# KiCad board teensy_arena_12-12.kicad_pcb (continued)
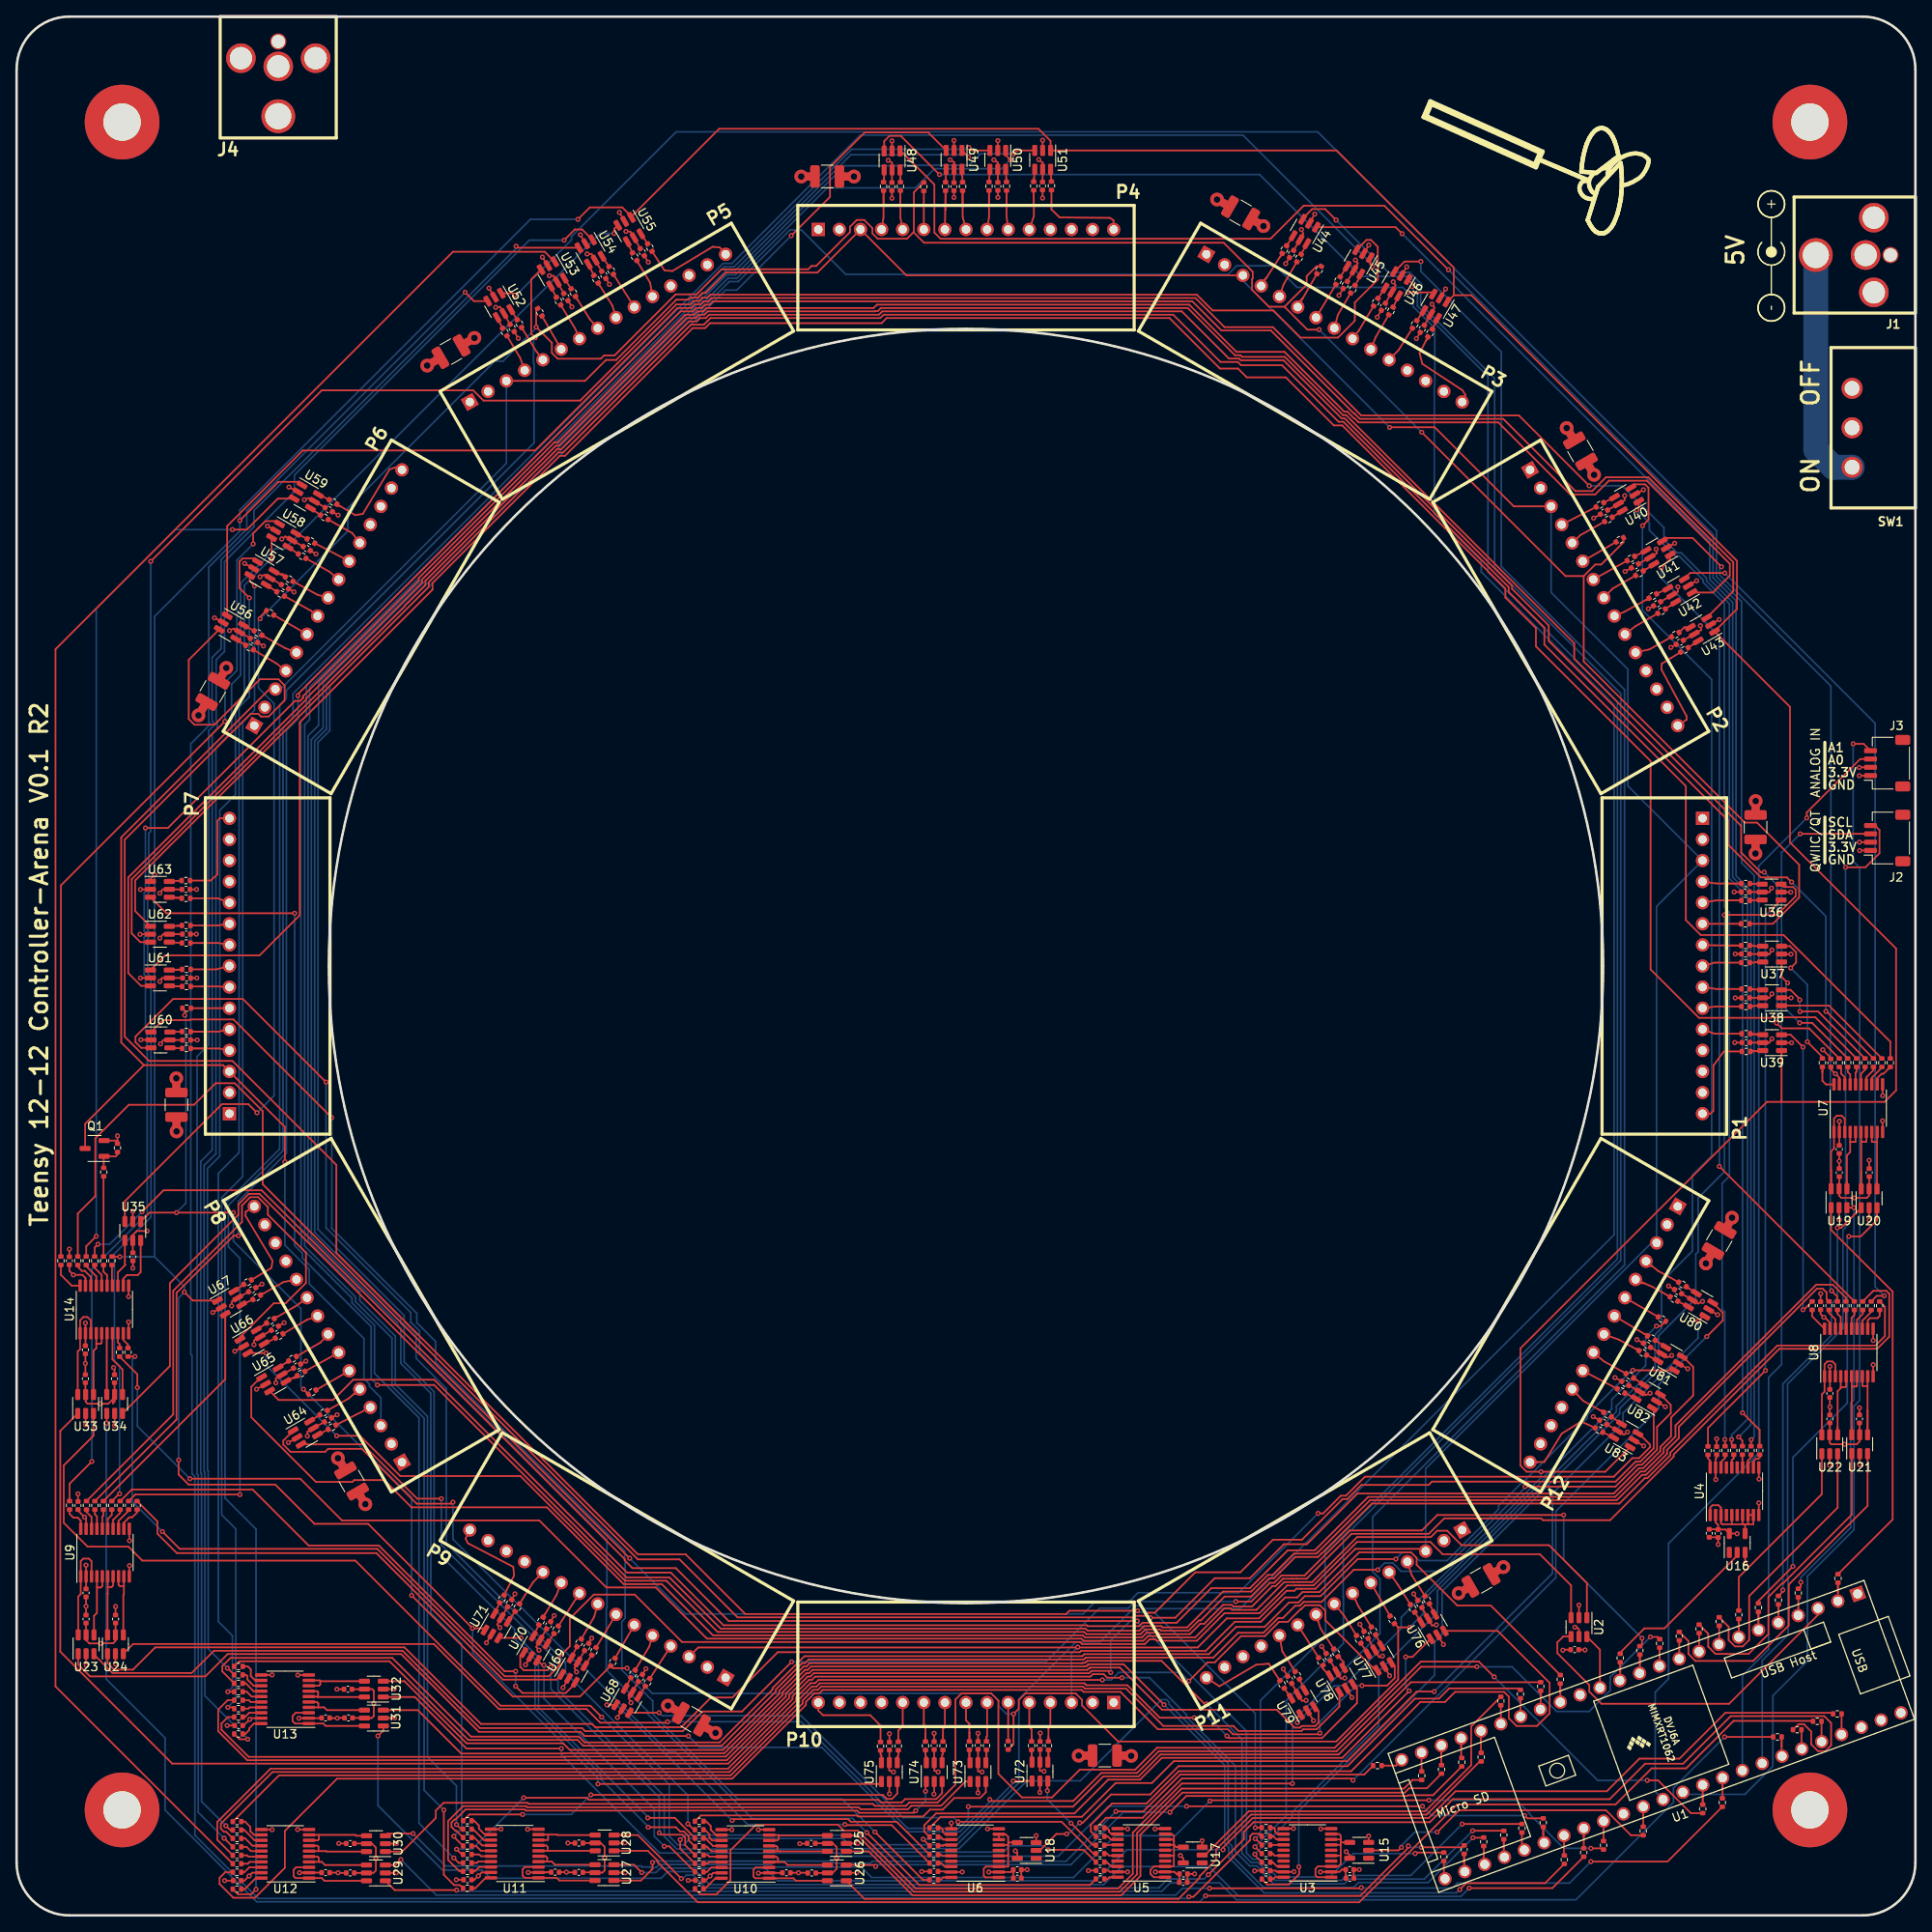
[diagram p0: board, top side]
## Routing (per net, layer and track width the routed paths; a pad name or vN(x,y) marks a point on that pad's centre or on a via; arc(x,y) is an arc through that point) (continued)
/Level Shifters/PAN5V.MOSI_1_P11: length 74.9
  Top w0.2: R61.1 109.27,10.09 109.27,10.85 110.69,12.27 127.35,12.27 131.42,16.34 135.25,16.34 137.88,18.97 159.6,18.97 v1(167.66,27.03) ; U76.1 168.06,31.11 v1(167.24,31.11)
  Bottom w0.2: v1(167.24,31.11) 167.24,27.45 v1(167.66,27.03)
/Level Shifters/PAN5V.MOSI_1_P12: length 126.4
  Top w0.2: v1(202.43,71.53) 203.03,72.12 U80.1 ; v1(170.67,26.95) 168.56,26.95 160.18,18.57 139.32,18.57 136.69,15.94 132.32,15.94 128.25,11.87 111.26,11.87 R62.1
  Bottom w0.2: v1(170.67,26.95) 184.91,41.19 184.91,50.79 193.4,59.28 193.4,60.48 202.43,69.52 v1(202.43,71.53)
/Level Shifters/PAN5V.RESET: length 9.7
  Top w0.2: 10.48,88.96 10.46,88.95 R123.1 ; 10.48,88.96 R1.2 10.48,88.96
/Level Shifters/PAN5V.SCK_0_P1: length 154.4
  Top w0.2: U36.3 212.76,123.81 213.87,123.81 214.19,123.49 214.19,122.7 211.94,120.45 v1(205.6,120.45) ; v1(154.37,5.84) 154.41,5.81 154.41,4.96 153.16,3.72 150.56,3.72 R39.1
  Bottom w0.2: v1(205.6,120.45) 205.6,89.54 202.44,86.37 202.44,79.89 202.16,79.61 202.16,74.25 197.67,69.76 197.67,65.67 193,61 193,60.38 171.63,39.02 171.63,33.84 170.72,32.93 170.72,28.92 154.37,12.57 v1(154.37,5.84)
/Level Shifters/PAN5V.SCK_0_P2: length 194.8
  Top w0.2: v1(149.08,7.37) 149.08,7.23 R40.1 ; U40.3 194.75,172.29 196.06,172.29 196.47,171.87 196.47,168.02 v1(195.76,167.31)
  Bottom w0.2: v1(149.08,7.37) 153.58,11.86 153.58,12.43 163.99,22.84 163.99,29.37 171.06,36.43 171.06,39.09 192.59,60.63 192.59,61.3 197.27,65.98 197.27,69.93 197.68,70.35 198.04,70.7 198.04,76.26 201.76,79.98 201.76,89.11 204.08,91.43 204.08,148.79 195.73,157.13 195.73,167.28 v1(195.76,167.31)
/Level Shifters/PAN5V.SCK_0_P3: length 236.2
  Top w0.2: v1(158.85,204.12) 157.54,205.43 155.97,205.43 154.83,204.28 U44.3 ; R41.1 v1(149.09,8.26)
  Bottom w0.2: v1(158.85,204.12) 165.16,197.81 167.71,197.81 169.18,196.33 169.18,196.05 169.04,195.91 169.04,193.94 177.94,185.04 177.94,162.28 193.13,147.09 193.13,78.86 159.72,45.45 159.72,38.34 159.74,38.32 159.74,32.75 152.85,25.87 152.85,12.02 v1(149.09,8.26)
/Level Shifters/PAN5V.SCK_0_P4: length 289.4
  Top w0.2: v1(111.1,209.59) 106.45,214.24 105.09,214.24 104.45,213.6 U48.3 ; R42.1 149.16,9.23 v1(149.12,9.23)
  Bottom w0.2: v1(149.12,9.23) 149.75,9.86 149.75,25.86 157.6,33.71 157.6,36.83 157.53,36.89 157.53,43.84 192.72,79.03 192.72,146.16 177.14,161.75 177.14,185.28 168.64,193.77 168.64,196.08 168.76,196.19 167.62,197.33 161.89,197.33 149.64,209.59 v1(111.1,209.59)
/Level Shifters/PAN5V.SCK_0_P5: length 338.2
  Top w0.2: R43.1 149.6,9.83 148.8,9.83 148.51,9.55 148.51,9.08 141.67,2.24 v1(141.14,2.24) ; v1(54,195.41) 55.06,194.35 U52.3
  Bottom w0.2: v1(54,195.41) 27.72,169.13 27.72,166.9 23.13,162.32 23.13,143.62 23.29,143.46 23.29,143.38 20.97,141.05 20.97,67.55 21.12,67.39 21.12,53.17 21.46,52.83 21.46,9.65 29.07,2.04 140.94,2.04 v1(141.14,2.24)
/Level Shifters/PAN5V.SCK_0_P6: length 269.6
  Top w0.2: R44.1 v1(149.12,10.57) ; v1(134.95,36.67) 126.74,36.67 126.35,36.28 87.73,36.28 80.55,43.47 74.8,43.47 38.49,79.77 38.49,90.36 25.98,102.87 15.94,102.87 13.02,105.79 13.02,129.51 28.17,144.66 29.1,144.66 29.43,144.34 30.34,144.34 32.27,146.26 32.27,148.09 31.53,148.82 29.3,148.82 23.82,143.35 21.42,143.35 20.72,144.04 20.72,151.15 U56.3
  Bottom w0.2: v1(149.12,10.57) 149.12,24.33 136.98,36.47 135.15,36.47 v1(134.95,36.67)
/Level Shifters/PAN5V.SCK_1_P7: length 186.8
  Top w0.2: R51.1 129.2,3.65 108.68,3.65 v1(102.37,9.97) ; U60.3 15,104.45 14.31,105.14 14.31,105.8 18.84,110.33 27.24,110.33 v1(37.25,100.32)
  Bottom w0.2: v1(37.25,100.32) 37.25,82.78 47.46,72.57 47.46,71.42 48.5,70.37 48.5,67.8 71.07,45.24 71.07,37.05 70.99,36.98 70.99,29.56 75.99,24.56 75.99,24.24 88.56,11.67 100.66,11.67 v1(102.37,9.97)
/Level Shifters/PAN5V.SCK_1_P8: length 125.2
  Top w0.2: v1(51.13,50.17) 48.22,50.17 41.68,56.71 U64.3 ; R52.1 128.46,7.9 v1(124.21,7.9)
  Bottom w0.2: v1(124.21,7.9) 123.73,8.38 119.57,8.38 118.81,7.62 100.56,7.62 100.21,7.97 79.5,7.97 77.97,9.5 77.97,14.37 65.18,27.16 65.18,30.52 51.13,44.58 v1(51.13,50.17)
/Level Shifters/PAN5V.SCK_1_P9: length 63.2
  Top w0.2: v1(113.34,11.27) 125.81,11.27 129.65,7.43 R53.1 ; U68.3 v1(77.36,24.4)
  Bottom w0.2: v1(113.34,11.27) 112.84,11.77 106.72,11.77 94.45,24.05 77.71,24.05 v1(77.36,24.4)
/Level Shifters/PAN5V.SCK_1_P10: length 10.4
  Top w0.2: U72.3 124.1,16.13 v1(124.1,15.01) ; R54.1 129.59,8.45 v1(126.94,11.1)
  Bottom w0.2: v1(124.1,15.01) 124.1,13.95 v1(126.94,11.1)
/Level Shifters/PAN5V.SCK_1_P11: length 86.3
  Top w0.2: R55.1 129.34,10.12 129.34,10.92 131.88,13.46 136.02,13.46 139.92,17.36 160.67,17.36 169.01,25.69 171.97,25.69 173.18,26.9 179.09,26.9 179.66,26.33 179.66,23.73 180.58,22.81 183.05,22.81 184.57,24.33 184.57,28 178.31,34.25 U76.3
/Level Shifters/PAN5V.SCK_1_P12: length 109.9
  Top w0.2: R56.1 131.16,11.76 135.58,11.76 140.29,16.47 160.7,16.47 v1(160.9,16.27) ; U80.3 205.41,72.56 205.41,71.62 v1(203.48,69.69)
  Bottom w0.2: v1(160.9,16.27) 185.31,40.68 185.31,48.65 197.7,61.04 197.7,63.91 v1(203.48,69.69)
/Panel Headers/HDR_CS_00_P1: length 6.3
  Top w0.2: 206.03,116.78 207.63,116.78 R129.1 206.03,116.78 ; 206.03,116.78 204.42,116.79 P1.7
/Panel Headers/HDR_CS_00_P7: length 4.7
  Top w0.2: P7.7 24.1,111.84 R177.1
/Panel Headers/HDR_CS_01_P1: length 4.7
  Top w0.2: P1.8 204.44,114.71 R130.1
/Panel Headers/HDR_CS_01_P7: length 4.7
  Top w0.2: P7.8 24.03,113.89 R178.1
/Panel Headers/HDR_CS_02_P1: length 4.7
  Top w0.2: R131.1 204.65,111.53 P1.9
/Panel Headers/HDR_CS_02_P7: length 4.7
  Top w0.2: R179.1 24.31,117.07 P7.9
/Panel Headers/HDR_CS_03_P1: length 4.7
  Top w0.2: P1.10 204.62,109.42 R132.1
/Panel Headers/HDR_CS_03_P7: length 4.7
  Top w0.2: R180.1 24.21,119.18 P7.10
/Panel Headers/HDR_CS_04_P1: length 4.8
  Top w0.2: R133.1 207.7,106.15 204.39,106.15 P1.11
/Panel Headers/HDR_CS_04_P7: length 4.8
  Top w0.2: R181.1 20.9,122.45 24.21,122.45 P7.11
/Panel Headers/HDR_CS_05_P2: length 4.7
  Top w0.2: R137.1 193.91,163.11 P2.7
/Panel Headers/HDR_CS_05_P8: length 4.7
  Top w0.2: R185.1 P8.7
/Panel Headers/HDR_CS_06_P2: length 4.7
  Top w0.2: P2.8 192.15,159.74 R138.1
/Panel Headers/HDR_CS_06_P8: length 4.7
  Top w0.2: P8.8 36.6,68.99 R186.1
/Panel Headers/HDR_CS_07_P2: length 5.9
  Top w0.2: 192.97,156.69 192.36,156.44 ; 192.97,156.69 193.57,156.95 196.13,158.36 ; 192.97,156.69 192.62,156.69 P2.9 ; 196.13,158.36 196.31,158.36 R139.1 196.13,158.36
/Panel Headers/HDR_CS_07_P8: length 5.5
  Top w0.2: 35.59,71.93 36.24,72.16 ; 35.59,71.93 34.95,71.7 R187.1 ; 35.59,71.93 36.01,71.93 P8.9
/Panel Headers/HDR_CS_08_P2: length 4.7
  Top w0.2: R140.1 194.87,155.19 P2.10
/Panel Headers/HDR_CS_08_P8: length 5.2
  Top w0.2: P8.10 33.73,73.43 31.4,72.07 ; 31.4,72.07 R188.1 31.24,72.07 31.4,72.07
/Panel Headers/HDR_CS_09_P2: length 4.8
  Top w0.2: R141.1 196.6,152.43 P2.11
/Panel Headers/HDR_CS_09_P8: length 6.1
  Top w0.2: 29.74,74.89 32.13,76.25 32.91,76.41 ; 29.74,74.89 29.57,74.89 R189.1 29.74,74.89 ; 32.91,76.41 33.54,76.41 P8.11 32.91,76.41
/Panel Headers/HDR_CS_10_P3: length 4.7
  Top w0.2: 156.44,192.36 P3.7 158.84,196.37 R145.1
/Panel Headers/HDR_CS_10_P9: length 4.8
  Top w0.2: 69.76,32.23 69.76,32.26 69.81,32.31 ; 69.81,32.31 P9.7 72.16,36.24 ; 69.81,32.31 69.76,32.23
/Panel Headers/HDR_CS_11_P3: length 4.7
  Top w0.2: P3.8 159.08,192.71 R146.1
/Panel Headers/HDR_CS_11_P9: length 4.7
  Top w0.2: R194.1 69.54,35.97 P9.8
/Panel Headers/HDR_CS_12_P3: length 4.8
  Top w0.2: 163.34,193.7 161.59,190.81 P3.9 ; 163.34,193.7 163.38,193.75 R147.1 ; 163.34,193.7 163.38,193.78
/Panel Headers/HDR_CS_12_P9: length 4.8
  Top w0.2: 65.25,34.87 65.22,34.84 R195.1 65.25,34.87 ; 65.25,34.87 P9.9
/Panel Headers/HDR_CS_13_P3: length 5.6
  Top w0.2: 163.34,189.31 163.65,190.07 R148.1 ; 163.34,189.31 P3.10 163.04,189 163.34,189.31
/Panel Headers/HDR_CS_13_P9: length 5.2
  Top w0.2: P9.10 65,38.58 63.61,36.25 ; 63.39,35.88 63.61,36.25 ; 63.61,36.25 63.39,36.03 R196.1
/Panel Headers/HDR_CS_14_P3: length 5.6
  Top w0.2: R149.1 166.37,188.44 165.8,187.86 ; 165.8,187.86 165.24,187.3 P3.11 165.8,187.86
/Panel Headers/HDR_CS_14_P9: length 5.6
  Top w0.2: R197.1 62.18,40.11 62.77,40.71 ; 62.77,40.71 P9.11 63.36,41.3 62.77,40.71
/Panel Headers/HDR_CS_15_P4: length 7
  Top w0.2: 111.8,205.31 P4.7 ; 111.8,205.31 R153.1 111.84,205.35 111.8,205.31
/Panel Headers/HDR_CS_15_P10: length 5
  Top w0.2: 116.76,21.22 R201.1 116.76,21.22 ; 116.76,21.22 116.76,21.49 116.84,21.56 P10.7
/Panel Headers/HDR_CS_16_P4: length 6.3
  Top w0.2: 113.89,206.08 R154.1 113.89,206.08 113.89,206.08 ; 113.89,206.08 113.89,204.52 P4.8
/Panel Headers/HDR_CS_16_P10: length 5.9
  Top w0.2: 114.71,22.01 R202.1 114.71,22.01 ; 114.71,22.01 114.71,23.06 114.3,23.47 P10.8
/Panel Headers/HDR_CS_17_P4: length 6.3
  Top w0.2: 117.07,206.07 117.07,204.47 P4.9 ; 117.07,206.07 R155.1 117.07,206.07
/Panel Headers/HDR_CS_17_P10: length 5.6
  Top w0.2: 111.53,21.69 R203.1 111.53,21.69 ; 111.53,21.69 111.53,22.45 111.76,22.68 P10.9
/Panel Headers/HDR_CS_18_P4: length 6.3
  Top w0.2: 119.18,206.12 119.18,206.12 R156.1 119.18,206.12 ; 119.18,206.12 119.18,204.57 P4.10
/Panel Headers/HDR_CS_18_P10: length 5.7
  Top w0.2: P10.10 109.22,23.01 109.42,22.81 109.42,21.87 ; 109.42,21.87 R204.1 109.42,21.87
/Panel Headers/HDR_CS_19_P4: length 6.4
  Top w0.2: 122.47,206.15 122.48,204.6 P4.11 ; 122.47,206.15 122.45,206.16 R157.1 ; 122.47,206.15 122.45,207.7
/Panel Headers/HDR_CS_19_P10: length 5.6
  Top w0.2: P10.11 106.68,22.78 106.15,22.25 106.15,21.58 ; 106.15,21.58 106.15,21.58 R205.1 ; 106.15,21.58 106.15,20.9
/Panel Headers/HDR_CS_20_P5: length 5.1
  Top w0.2: 65.7,193.56 65.49,193.77 R161.1 65.7,193.56 ; 65.7,193.56 67.23,191.06 P5.7
/Panel Headers/HDR_CS_20_P11: length 6
  Top w0.2: 163.11,34.69 162.9,35.03 ; 162.9,35.03 163.11,34.82 R209.1 ; 162.9,35.03 161.52,37.26 161.18,38.02 ; 161.18,38.02 160.84,38.36 P11.7 161.18,38.02
/Panel Headers/HDR_CS_21_P5: length 5.3
  Top w0.2: 67.55,194.49 67.28,194.77 R162.1 67.55,194.49 ; 67.55,194.49 69.01,192.18 P5.8
/Panel Headers/HDR_CS_21_P11: length 4.7
  Top w0.2: R210.1 159.82,36.09 P11.8
/Panel Headers/HDR_CS_22_P5: length 6
  Top w0.2: 71.95,193.08 72.16,192.36 ; 71.95,193.08 72.16,192.87 P5.9 ; 71.95,193.08 71.73,193.8 70.24,196.18 ; 70.24,196.18 70.01,196.41 R163.1 70.24,196.18
/Panel Headers/HDR_CS_22_P11: length 5.7
  Top w0.2: P11.9 156.44,35.67 156.7,35.4 ; 156.7,35.4 156.44,36.24 ; 156.7,35.4 156.97,34.57 R211.1
/Panel Headers/HDR_CS_23_P5: length 5.2
  Top w0.2: 72.1,197.18 P5.10 ; 72.1,197.18 R164.1 71.84,197.45 72.1,197.18
/Panel Headers/HDR_CS_23_P11: length 4.7
  Top w0.2: R212.1 P11.10
/Panel Headers/HDR_CS_24_P5: length 6.2
  Top w0.2: 74.89,198.88 R165.1 74.66,199.11 74.89,198.88 ; 74.89,198.88 76.28,196.55 76.42,195.72 ; 76.42,195.72 76.56,195.58 P5.11 76.42,195.72
/Panel Headers/HDR_CS_24_P11: length 4.8
  Top w0.2: R213.1 152.38,31.8 P11.11
/Panel Headers/HDR_CS_25_P6: length 4.7
  Top w0.2: 32.27,158.81 32.25,158.81 R169.1 ; 32.27,158.81 32.23,158.84 ; 32.27,158.81 35.43,157.07 P6.7 36.24,156.44
/Panel Headers/HDR_CS_25_P12: length 5.2
  Top w0.2: 196.37,69.76 196.13,70 195.97,70 ; 195.97,70 P12.7 192.36,72.16 ; 195.97,70 196.37,69.76
/Panel Headers/HDR_CS_26_P6: length 4.7
  Top w0.2: P6.8 36.19,159 R170.1
/Panel Headers/HDR_CS_26_P12: length 5.2
  Top w0.2: 194.94,68.2 R218.1 195.12,68.2 194.94,68.2 ; 194.94,68.2 192.89,69.32 P12.8
/Panel Headers/HDR_CS_27_P6: length 4.8
  Top w0.2: 34.86,163.36 34.85,163.36 R171.1 34.86,163.36 ; 34.86,163.36 37.69,161.75 P6.9
/Panel Headers/HDR_CS_27_P12: length 4.8
  Top w0.2: P12.9 191.11,66.7 193.72,65.25 ; 193.72,65.25 193.75,65.25 R219.1 ; 193.72,65.25 193.78,65.22
/Panel Headers/HDR_CS_28_P6: length 4.7
  Top w0.2: R172.1 P6.10
/Panel Headers/HDR_CS_28_P12: length 4.7
  Top w0.2: P12.10 R220.1 192.72,63.39
/Panel Headers/HDR_CS_29_P6: length 5.7
  Top w0.2: 37.53,168.04 37.51,168.04 R173.1 37.53,168.04 ; 37.53,168.04 40.41,166.42 40.86,165.83 ; 40.86,165.83 P6.11 41.32,165.38 40.86,165.83
/Panel Headers/HDR_CS_29_P12: length 6.3
  Top w0.2: 187.89,62.71 188.59,61.95 190.66,60.79 ; 187.89,62.71 187.28,63.32 P12.11 187.89,62.71 ; 190.66,60.79 190.86,60.79 R221.1 190.66,60.79
/Panel Headers/HDR_EXT_INT_P1: length 11.2
  Top w0.2: P1.15 203.94,96.52 204.27,96.85 204.27,102.21 204.34,102.39 205.54,104.01 R134.1
/Panel Headers/HDR_EXT_INT_P2: length 11.5
  Top w0.2: P2.15 201.07,143.97 201.04,144.4 198.02,150.01 198.07,150.7 R142.1
/Panel Headers/HDR_EXT_INT_P3: length 12
  Top w0.2: 174.24,182.62 174.03,182.41 P3.15 ; 174.24,182.62 174.45,183.03 174.07,183.62 169.24,186.79 168.91,188.09 169.69,189.61 ; 174.24,182.62 174.03,182.2 ; 169.69,189.61 169.92,189.84 R150.1 169.69,189.61
/Panel Headers/HDR_EXT_INT_P4: length 11.4
  Top w0.2: P4.15 132.06,204.09 131.62,204.37 125.58,204.42 124.59,205.38 R158.1
/Panel Headers/HDR_EXT_INT_P5: length 11.9
  Top w0.2: 85.01,200.4 84.66,200.81 83.79,200.89 78.94,197.97 78,198.04 R166.1 ; 85.01,200.4 85.36,200.05 P5.15 85.01,200.4
/Panel Headers/HDR_EXT_INT_P6: length 12.3
  Top w0.2: 45.98,174.18 45.57,174.32 44.91,174.09 41.68,168.73 40.77,168.58 38.92,169.69 ; 45.98,174.18 46.4,174.04 ; 45.98,174.18 46.25,174.18 P6.15 ; 38.92,169.69 R174.1 38.77,169.69 38.92,169.69
/Panel Headers/HDR_EXT_INT_P7: length 11.6
  Top w0.2: R182.1 23.34,124.59 24.18,125.32 24.18,131.78 24.46,132.08 P7.15
/Panel Headers/HDR_EXT_INT_P8: length 12.4
  Top w0.2: 28.1,85.04 27.58,84.71 27.56,84.23 30.81,78.82 30.68,77.95 28.3,76.52 ; 28.1,85.04 P8.15 28.29,85.04 28.1,85.04 ; 28.3,76.52 28.28,76.52 R190.1 28.3,76.52
/Panel Headers/HDR_EXT_INT_P9: length 12.3
  Top w0.2: P9.15 54.57,46.14 54.31,45.88 ; 58.68,38.54 59.89,40.92 59.79,41.96 54.33,44.81 54.05,45.36 54.31,45.88 ; 58.68,38.54 R198.1 58.68,38.54 ; 54.31,45.88 54.56,46.4
/Panel Headers/HDR_EXT_INT_P10: length 11.2
  Top w0.2: R206.1 104.01,22.86 102.77,24.11 97.08,24.11 96.52,24.66 P10.15
/Panel Headers/HDR_EXT_INT_P11: length 11
  Top w0.2: R214.1 150.75,30.3 149.22,30.18 144.81,27.58 P11.15
/Panel Headers/HDR_EXT_INT_P12: length 11.2
  Top w0.2: 190.06,58.68 R222.1 190.06,58.68 ; 190.06,58.68 188.37,59.46 186.03,58.01 184.12,54.92 183.92,54.59 183.06,54.58 ; 183.06,54.58 182.21,54.58 P12.15 ; 183.06,54.58 182.2,54.57
/Panel Headers/HDR_MISO_0_P1: length 4.6
  Top w0.2: R223.1 P1.6
/Panel Headers/HDR_MISO_0_P2: length 4.6
  Top w0.2: 192.57,165.36 191.69,164.85 P2.6
/Panel Headers/HDR_MISO_0_P3: length 6
  Top w0.2: 154.89,194.76 154.24,194.11 P3.6 154.89,194.76 ; 154.89,194.76 R225.1
/Panel Headers/HDR_MISO_0_P4: length 4.6
  Top w0.2: R226.1 P4.6
/Panel Headers/HDR_MISO_0_P5: length 4.6
  Top w0.2: P5.6 63.24,192.57 R227.1
/Panel Headers/HDR_MISO_0_P6: length 4.6
  Top w0.2: R228.1 P6.6
/Panel Headers/HDR_MISO_1_P7: length 4.6
  Top w0.2: R229.1 P7.6
/Panel Headers/HDR_MISO_1_P8: length 4.6
  Top w0.2: P8.6 36.03,63.24 R230.1
/Panel Headers/HDR_MISO_1_P9: length 4.6
  Top w0.2: R231.1 P9.6
/Panel Headers/HDR_MISO_1_P10: length 4.6
  Top w0.2: P10.6 R232.1
/Panel Headers/HDR_MISO_1_P11: length 4.6
  Top w0.2: R233.1 165.36,36.03 P11.6
/Panel Headers/HDR_MISO_1_P12: length 4.6
  Top w0.2: R234.1 P12.6
/Panel Headers/HDR_MOSI_0_P1: length 6.2
  Top w0.2: P1.5 204.65,122.2 206.15,122.2 ; 206.15,122.2 207.65,122.2 R128.1 206.15,122.2
/Panel Headers/HDR_MOSI_0_P2: length 5.4
  Top w0.2: 187.79,165.71 187.76,165.71 P2.5 187.79,165.71 ; 187.79,165.71 188.29,166.19 189.94,167.11 R136.1
/Panel Headers/HDR_MOSI_0_P3: length 5.5
  Top w0.2: 152.28,195.62 P3.5 152.04,195.38 152.28,195.62 ; 152.28,195.62 152.53,196.34 R144.1
/Panel Headers/HDR_MOSI_0_P4: length 6.3
  Top w0.2: 106.4,206.02 106.41,206.03 R152.1 106.4,206.02 ; 106.4,206.02 106.4,204.39 P4.5
/Panel Headers/HDR_MOSI_0_P5: length 5.9
  Top w0.2: 62.96,187.8 62.56,188.32 61.04,190.79 ; 62.96,187.8 63.36,187.4 P5.5 62.96,187.8 ; 61.04,190.79 60.79,191.04 R160.1 61.04,190.79
/Panel Headers/HDR_MOSI_0_P6: length 6
  Top w0.2: 29.89,153.93 32.31,152.58 33,152.31 ; 29.89,153.93 R168.1 29.72,153.93 29.89,153.93 ; 33,152.31 P6.5 33.43,152.31 33,152.31
/Panel Headers/HDR_MOSI_1_P7: length 6.3
  Top w0.2: 22.59,106.4 24.23,106.4 P7.5 ; 22.59,106.4 R176.1 20.95,106.4 22.59,106.4
/Panel Headers/HDR_MOSI_1_P8: length 5.8
  Top w0.2: 40.62,62.78 39.93,62.21 37.5,60.84 ; 40.62,62.78 P8.5 40.74,62.78 40.62,62.78 ; 37.5,60.84 37.46,60.84 R184.1 37.5,60.84
/Panel Headers/HDR_MOSI_1_P9: length 5.2
  Top w0.2: 74.67,29.86 76.18,32.39 P9.5 ; 74.67,29.86 74.46,29.65 R192.1 74.67,29.86
/Panel Headers/HDR_MOSI_1_P10: length 5.4
  Top w0.2: 122.19,21.58 122.19,22.38 121.92,22.66 P10.5 ; 122.19,21.58 R200.1 122.19,21.58
/Panel Headers/HDR_MOSI_1_P11: length 5.7
  Top w0.2: 165.78,40.55 P11.5 165.24,41.09 165.78,40.55 ; 165.78,40.55 166.32,39.78 R208.1
/Panel Headers/HDR_MOSI_1_P12: length 5.9
  Top w0.2: 195.93,76.11 195.35,76.11 P12.5 195.93,76.11 ; 195.93,76.11 196.95,75.67 R216.1
/Panel Headers/HDR_RESET: length 573.5
  Top w0.2: 127.75,32.25 82.06,32.25 P9.3 ; 127.75,32.25 142.19,32.25 145.69,35.75 149.57,35.75 152.9,39.09 153.83,39.09 154.07,39.32 154.64,39.32 154.64,39.33 156.38,39.33 161.17,44.12 169.37,44.12 P11.3 ; 127.75,32.25 v1(127.75,32.29) ; 8.25,92.33 8.25,95.3 15.32,102.37 ; 15.32,102.37 12.6,105.09 12.6,129.79 30.45,147.64 P6.3 ; 15.32,102.37 24.86,102.37 P7.3 32.3,94.93 v1(32.3,90.72) ; v1(165.3,179.14) 165.32,179.16 170.73,179.16 180.25,169.64 P2.3 ; P3.3 107.13,197.44 P4.3 96.41,197.78 85.4,197.78 82.94,195.32 82.57,195.32 82.21,194.96 82.21,194.96 82.01,194.76 81.13,194.76 80.88,194.52 79.43,194.52 72.18,187.27 70.96,187.27 68.43,184.74 P5.3
  Bottom w0.2: P10.3 127,31.54 v1(127.75,32.29) ; P5.3 58.96,174.82 31.78,147.64 P6.3 ; P3.3 147.64,196.8 v1(165.3,179.14) ; P11.3 169.64,53.78 196.82,80.96 P12.3 197.44,121.47 P1.3 193.98,135.99 193.98,150.03 184.74,159.27 P2.3 ; P8.3 43.86,62.33 42.47,63.71 42.47,63.96 41.81,64.62 41.81,69.45 35.23,76.04 35.23,77.76 32.3,80.69 v1(32.3,90.72)
/Panel Headers/HDR_SCK_0_P1: length 6.2
  Top w0.2: 206.16,124.23 204.67,124.23 P1.4 ; 206.16,124.23 R127.1 207.65,124.23 206.16,124.23
/Panel Headers/HDR_SCK_0_P2: length 4.7
  Top w0.2: R135.1 P2.4
/Panel Headers/HDR_SCK_0_P3: length 6.5
  Top w0.2: 152.1,199.68 152.38,199.96 R143.1 152.1,199.68 ; 152.1,199.68 150.49,197.18 ; 150.49,197.18 149.84,196.53 P3.4 150.49,197.18
/Panel Headers/HDR_SCK_0_P4: length 6.3
  Top w0.2: 104.37,206.05 104.37,206.05 R151.1 104.37,206.05 ; 104.37,206.05 104.37,204.44 P4.4
/Panel Headers/HDR_SCK_0_P5: length 5.6
  Top w0.2: 60.9,186.76 60.63,187.5 R159.1 ; 60.9,186.76 61.16,186.49 P5.4 60.9,186.76
/Panel Headers/HDR_SCK_0_P6: length 5.4
  Top w0.2: R167.1 31.32,150.7 31.87,150.27 ; 31.87,150.27 32,150.27 P6.4 31.87,150.27
/Panel Headers/HDR_SCK_1_P7: length 6.4
  Top w0.2: 22.64,104.37 20.95,104.37 R175.1 22.64,104.37 ; 22.64,104.37 24.33,104.37 P7.4
/Panel Headers/HDR_SCK_1_P8: length 4.7
  Top w0.2: R183.1 P8.4
/Panel Headers/HDR_SCK_1_P9: length 4.8
  Top w0.2: 76.26,28.56 76.22,28.52 R191.1 76.26,28.56 ; 76.26,28.56 P9.4
/Panel Headers/HDR_SCK_1_P10: length 5.3
  Top w0.2: 124.23,21.45 R199.1 124.23,21.45 ; 124.23,21.45 124.23,22.5 124.46,22.73 P10.4
/Panel Headers/HDR_SCK_1_P11: length 4.7
  Top w0.2: R207.1 167.94,41 P11.4
/Panel Headers/HDR_SCK_1_P12: length 5.7
  Top w0.2: 200.05,76.26 R215.1 200.07,76.26 200.05,76.26 ; 200.05,76.26 197.61,77.6 196.89,78.18 ; 196.89,78.18 P12.4 196.76,78.18 196.89,78.18
/Power/SW_5V: length 36
  Bottom w0.2: 216.61,192.56 J1.1
  Bottom w3: SW1.1 218.72,174.35 216.61,176.45 J1.1
/Teensy/A0: length 137.1
  Top w0.2: v1(215.52,132.13) 215.52,132.78 221.96,139.22 J3.3
  Bottom w0.2: U1.36 197.28,14.9 197.28,26.87 198.88,28.48 198.88,44.79 209.74,55.64 209.74,126.35 v1(215.52,132.13)
/Teensy/A1: length 142.5
  Top w0.2: v1(221.11,141.05) 222.38,141.05 J3.4
  Bottom w0.2: v1(221.11,141.05) 221.11,126.92 221.89,126.15 221.89,62 221.2,61.31 221.2,46.43 215.6,40.83 215.6,30.6 211.44,26.44 211.44,17.94 208.07,14.58 200.86,14.58 U1.37
/Teensy/SCL: length 121
  Top w0.2: J2.4 223.74,131.21 224.28,130.67 224.28,127.87 222.59,126.19 v1(220.18,126.19)
  Bottom w0.2: v1(220.18,126.19) 220.18,82.83 219.88,82.52 219.88,70.65 213.21,63.98 213.21,40.47 213.28,40.4 213.28,33.81 210.16,30.68 U1.41
/Teensy/SDA: length 124.1
  Top w0.2: J2.3 v1(214.73,130.21)
  Bottom w0.2: U1.40 207.77,28.86 210.93,32.02 210.93,64.76 212.48,66.32 212.48,127.96 v1(214.73,130.21)
/Teensy/TNY_CS_00: length 3.3
  Top w0.2: 219.28,38.96 R8.1 219.28,38.96 ; 219.28,38.96 219.28,37.85 U1.2
/Teensy/TNY_CS_01: length 2.2
  Top w0.2: 214.5,36.1 U1.4 214.5,36.1 ; 214.5,36.1 214.5,36.11 R9.1
/Teensy/TNY_CS_02: length 3.3
  Top w0.2: U1.5 212.12,35.24 212.12,36.34 ; 212.12,36.34 R10.1 212.12,36.34
/Teensy/TNY_CS_03: length 3.3
  Top w0.2: 209.7,35.46 R11.1 ; 209.7,35.46 209.7,36.55 ; 209.7,35.46 209.7,34.38 U1.6 209.72,34.36
/Teensy/TNY_CS_04: length 3.3
  Top w0.2: 207.34,34.59 207.34,33.5 207.33,33.49 U1.7 ; 207.34,34.59 R12.1 207.34,34.59
/Teensy/TNY_CS_05: length 2.3
  Top w0.2: 204.95,32.62 U1.8 204.95,32.62 ; 204.95,32.62 204.98,32.66 R13.1
/Teensy/TNY_CS_06: length 2.2
  Top w0.2: U1.9 202.56,31.76 R14.1
/Teensy/TNY_CS_07: length 2.2
  Top w0.2: R15.1 200.18,30.89 U1.10
/Teensy/TNY_CS_08: length 3.3
  Top w0.2: 197.81,31.14 197.82,31.14 R16.1 197.81,31.14 ; 197.81,31.14 197.81,30.05 U1.11
/Teensy/TNY_CS_09: length 3.4
  Top w0.2: 195.41,29.16 195.4,29.15 ; 195.41,29.16 U1.12 ; 195.41,29.16 195.43,29.18 195.43,30.29 ; 195.43,30.29 R17.1 195.43,30.29
/Teensy/TNY_CS_10: length 3.4
  Top w0.2: U1.16 185.85,25.68 185.85,26.8 ; 185.85,27.92 185.85,26.8 ; 185.85,26.8 R18.1
/Teensy/TNY_CS_11: length 3.2
  Top w0.2: 183.49,26.11 183.49,24.83 U1.17 ; 183.49,26.11 R19.1 183.49,26.11
/Teensy/TNY_CS_12: length 4
  Top w0.2: 176.3,20.89 U1.20 176.3,20.89 ; 176.3,20.89 176.3,19.58 R20.1 176.33,19.56
/Teensy/TNY_CS_13: length 3.6
  Top w0.2: 173.92,20.18 U1.21 ; 173.92,20.18 173.92,19.03 173.95,18.99 ; 173.92,20.18 173.92,21.33 ; 173.95,18.99 173.95,18.99 R21.1 173.95,18.99
/Teensy/TNY_CS_14: length 3.3
  Top w0.2: 171.51,18.1 171.54,18.1 R22.1 ; 171.51,18.1 171.53,18.12 171.53,19.55 ; 171.51,18.1 171.5,18.09 ; 171.53,19.55 171.53,20.46 ; 171.53,19.55 171.53,19.55 U1.22
/Teensy/TNY_CS_15: length 2.3
  Top w0.2: R23.1 169.14,17.35 169.14,19.59 U1.23
/Teensy/TNY_CS_16: length 3.2
  Top w0.2: 166.41,18.38 166.06,18.03 R24.1 ; 166.41,18.38 U1.24 166.41,18.38
/Teensy/TNY_CS_17: length 2.5
  Top w0.2: 219.71,21.78 U1.45 219.71,21.78 ; 219.71,21.78 219.71,21.79 R25.1
/Teensy/TNY_CS_18: length 2.5
  Top w0.2: 217.31,20.92 217.3,20.93 R26.1 ; 217.31,20.92 U1.44 217.31,20.92
/Teensy/TNY_CS_19: length 2.3
  Top w0.2: 214.93,20.04 214.93,20.04 ; 214.93,20.04 U1.43 ; 214.93,20.04 214.88,20.09 R27.1
/Teensy/TNY_CS_20: length 3.5
  Top w0.2: 212.5,20.35 R28.1 212.5,20.35 ; 212.5,20.35 212.5,19.22 212.52,19.2 ; 212.52,19.2 U1.42 212.52,19.2
/Teensy/TNY_CS_21: length 3.7
  Top w0.2: 205.38,15.34 U1.39 205.38,15.34 ; 205.38,15.34 205.38,14.12 R29.1
/Teensy/TNY_CS_22: length 3.5
  Top w0.2: 203,14.52 R30.1 203,14.52 ; 203,14.52 203,15.7 U1.38
/Teensy/TNY_CS_23: length 2.9
  Top w0.2: 191.06,11.35 191.06,10.86 ; 191.06,10.86 191.06,8.95 R31.1 ; 191.06,10.86 191.06,10.86 U1.33
/Teensy/TNY_CS_24: length 3.4
  Top w0.2: 188.67,8.08 R32.1 188.68,8.09 188.68,9.48 ; 188.68,9.48 U1.32 188.68,9.48
/Teensy/TNY_CS_25: length 3.6
  Top w0.2: 186.29,9.62 186.29,8.44 ; 186.29,8.44 186.29,7.26 R33.1 ; 186.29,8.44 186.29,8.44 U1.31
/Teensy/TNY_CS_26: length 2.9
  Top w0.2: 183.79,9.76 183.79,8.86 U1.30 ; 183.79,9.76 R34.1 183.79,9.76
/Teensy/TNY_CS_27: length 2.2
  Top w0.2: U1.29 181.23,8.17 R35.1
/Teensy/TNY_CS_28: length 3.2
  Top w0.2: 179.04,8.13 179.04,7.09 U1.28 ; 179.04,8.13 179.04,9.17 ; 179.04,8.13 R36.1
/Teensy/TNY_CS_29: length 3.3
  Top w0.2: 176.63,7.3 R37.1 176.63,7.3 ; 176.63,7.3 176.63,6.25 U1.27 176.74,6.14
/Teensy/TNY_EXT_INT: length 2.2
  Top w0.2: U1.25 171.83,4.54 R38.1
/Teensy/TNY_MISO_0: length 7.5
  Top w0.2: U1.14 190.62,31.99 U2.6 ; U1.14 191.11,26.92 ; U1.14 190.6,27.39
/Teensy/TNY_MISO_1: length 43.2
  Top w0.2: U1.3 216.88,36.18 206.17,25.48 190.8,25.48 189.34,26.94 189.34,27.73 185.5,31.57 185.5,32.87 186.21,33.58 186.83,33.58 186.85,33.56 U2.4 ; 216.88,36.97 216.88,36.64
/Teensy/TNY_MOSI_0: length 3.3
  Top w0.2: R5.1 193.07,29.41 193.06,29.41 ; 193.06,30.48 193.06,29.41 ; 193.06,29.41 193.06,28.34 U1.13
/Teensy/TNY_MOSI_1: length 2.7
  Top w0.2: 181.05,25.65 R7.1 181.05,25.65 ; 181.05,25.65 181.05,23.96 U1.18 ; U1.18 181.08,23.94 U1.18
/Teensy/TNY_RESET: length 3.2
  Top w0.2: U1.26 174.35,5.27 U1.26 ; U1.26 174.27,5.36 174.27,6.39 ; 174.27,7.41 174.27,6.39 ; 174.27,6.39 174.27,6.39 R3.1
/Teensy/TNY_SCK_0: length 3.5
  Top w0.2: 195.84,11.96 U1.35 195.84,11.96 ; 195.84,11.96 195.84,10.67 R4.1
/Teensy/TNY_SCK_1: length 2.2
  Top w0.2: U1.19 178.69,23.07 R6.1
Net-(Q1-G): length 3.4
  Top w0.2: R2.2 12.14,91.59 11.93,91.38 Q1.1 10.49,91.35 R1.1